# KiCad board hw-openmower-sabo.kicad_pcb
title: OpenMower SABO Mainboard for Series I & II; date: 2025-02-16; rev: v0.1; company: Apeheanger <joerg@ebeling.ws> for OpenMower; note: This design is licensed under CC BY-NC 4.0
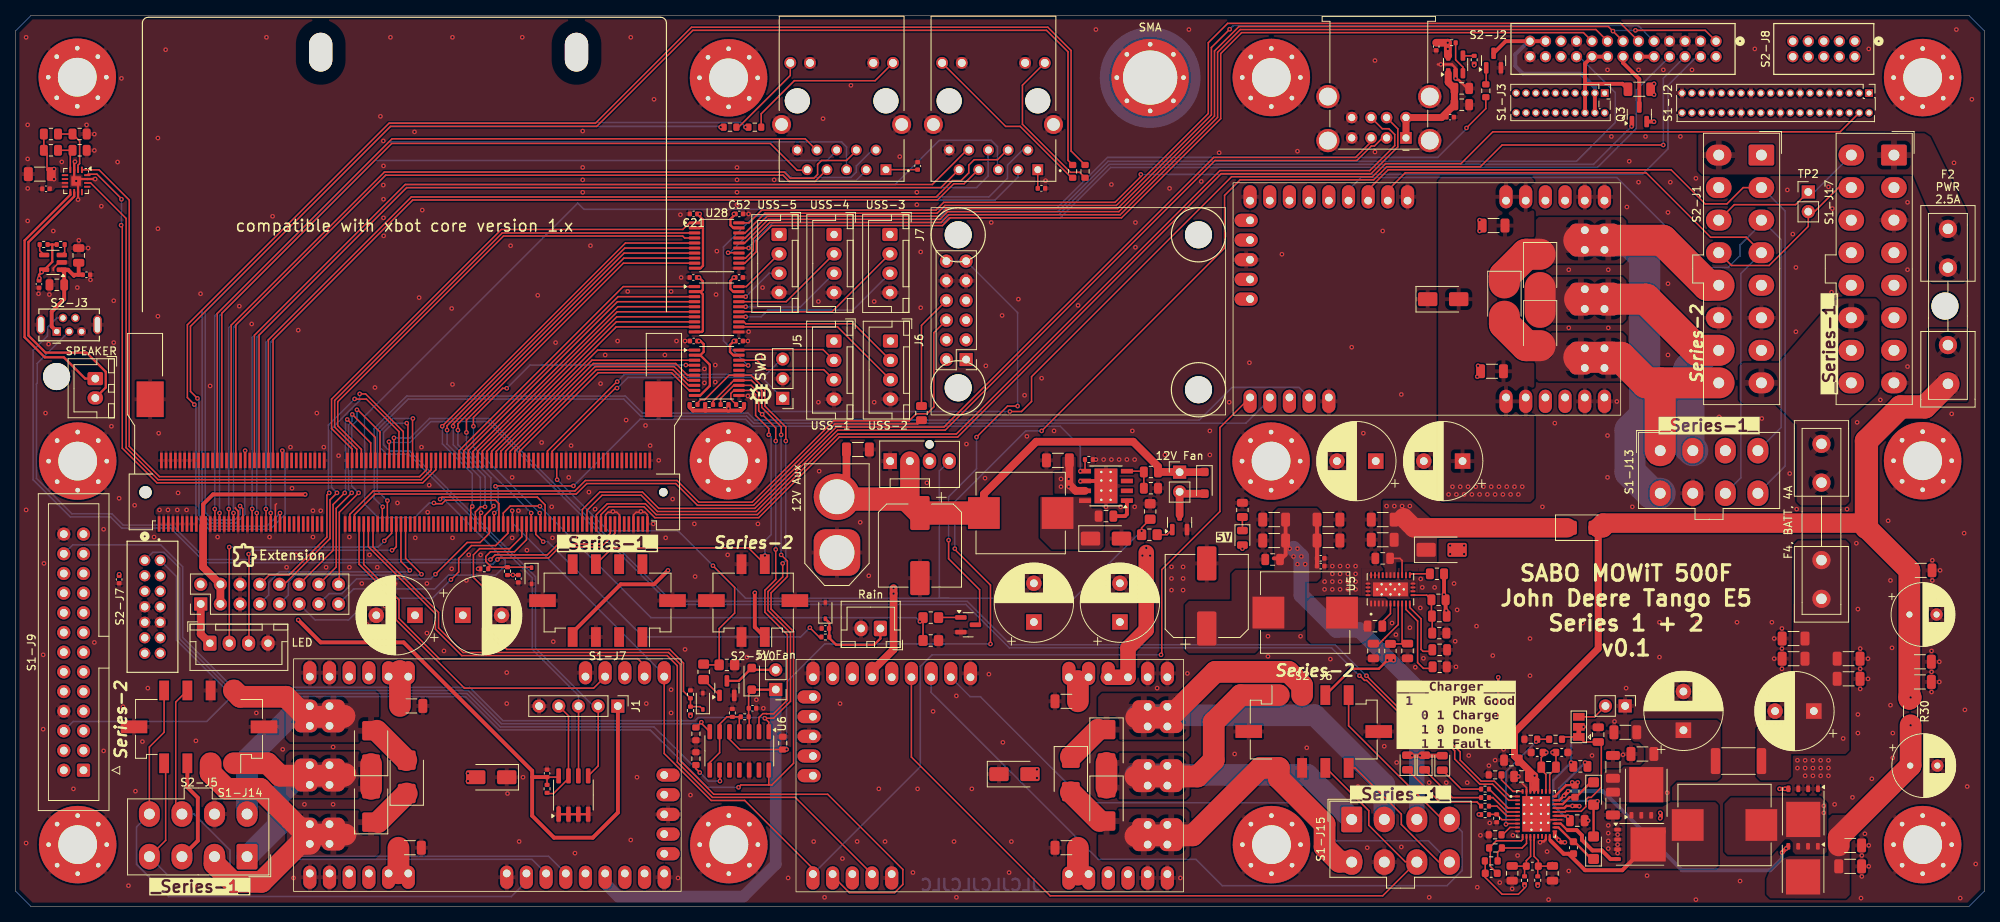
[diagram p0: board, top side]
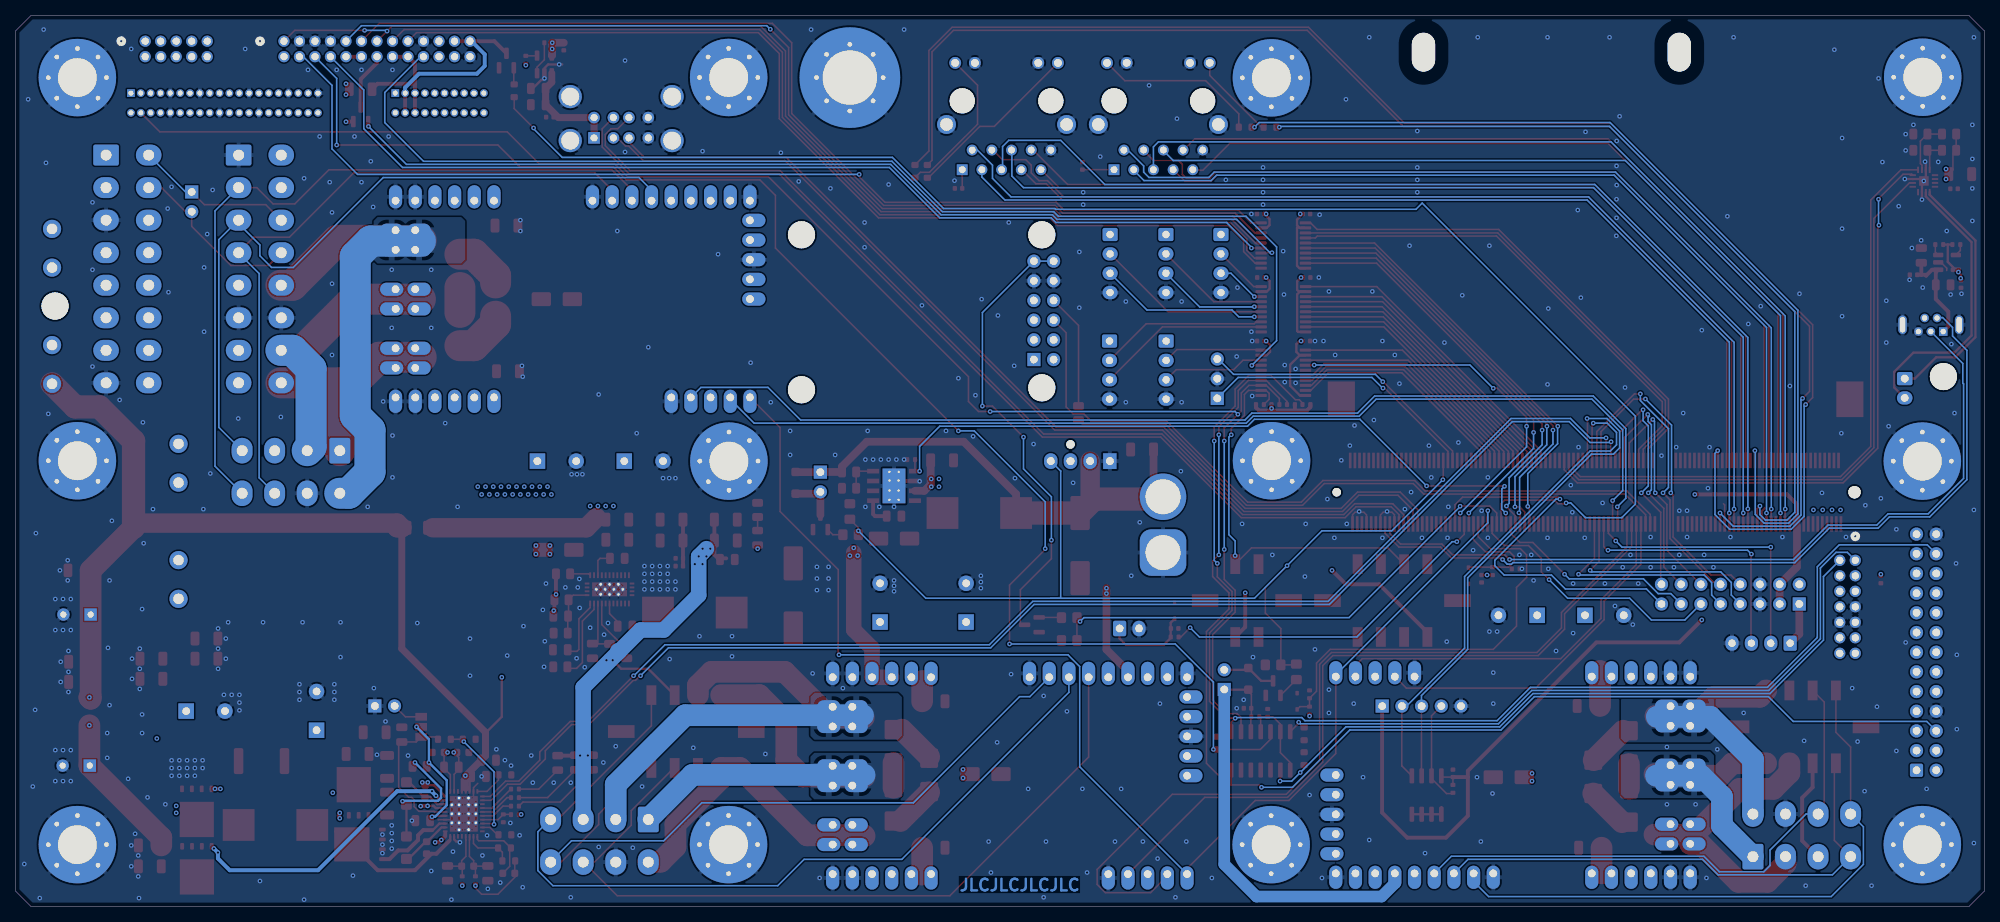
[diagram p1: board, bottom side, seen from below]

Outline 254 x 115 mm; copper layers: Top, In1.Cu-GND (plane), In2.Cu-PWR (plane), Bottom. Coordinates in mm from the lower left corner of the outline.
Outline path: 0,2 2,0 252,0 254,2 254,113 252,115 2,115 0,113 0,2
Stack: Top 0.035mm / dielectric 0.2104mm FR4 er 4.4 / In1.Cu-GND 0.0152mm / dielectric 1.065mm FR4 er 4.5 / In2.Cu-PWR 0.0152mm / dielectric 0.2104mm FR4 er 4.4 / Bottom 0.035mm

## Placement (name value [footprint] x y rotation side)
C1  100nF@50V  [C_0402_1005Metric]  183.27 110.98 270 top
C2  100nF@50V  [C_0402_1005Metric]  3.03 80.33 270 top
C3  470nF@50V  [C_0805_2012Metric]  186.57 105.58 0 top
C4  470nF@50V  [C_0805_2012Metric]  186.57 103.48 0 top
C5  100nF@50V  [C_0402_1005Metric]  185.07 101.88 180 top
C6  470nF@50V  [C_0805_2012Metric]  5.33 80.23 180 top
C7  470nF@50V  [C_0805_2012Metric]  8.15 84.03 90 top
C8  100nF@50V  [C_0402_1005Metric]  9.15 81.53 180 top
C9  100uF@6.3V  [C_1206_3216Metric]  3.13 94.53 180 top
C10  100nF  [C_0402_1005Metric]  3.93 92.63 0 top
C11  10uF@50V  [C_1206_3216Metric]  134.47 57.58 180 top
C12  10nF  [C_0805_2012Metric]  140.67 50.38 180 top
C13  680uF  [CP_Elec_10x12.5]  116.67 46.58 270 top
C14  680uF  [CP_Elec_10x12.5]  153.67 40.08 90 top
C15  100nF  [C_0402_1005Metric]  104.47 35.88 180 top
C16  10uF@50V  [C_1206_3216Metric]  108.67 58.98 0 top
C17  100nF@50V  [C_0402_1005Metric]  87.48 72.98 180 top
C18  100nF@50V  [C_0402_1005Metric]  93.34 81.18 0 top
C19  100nF@50V  [C_0402_1005Metric]  87.44 81.18 180 top
C20  100nF@50V  [C_0402_1005Metric]  93.36 72.98 0 top
C21  100nF@50V  [C_0402_1005Metric]  87.47 89.38 180 top
C22  100nF@50V  [C_0402_1005Metric]  132.35 92.68 180 top
C23  100nF@50V  [C_0402_1005Metric]  116.37 95.58 270 top
C24  10uF@50V  [C_1206_3216Metric]  176.37 47.33 180 top
C25  10uF@50V  [C_1206_3216Metric]  176.37 49.93 180 top
C26  470nF@50V  [C_0805_2012Metric]  176.37 44.93 180 top
C27  C  [C_0805_2012Metric]  183.72 33.13 0 top  (not fitted)
C28  2.2uF  [C_0805_2012Metric]  175.17 32.98 90 top
C29  470nF@50V  [C_0805_2012Metric]  175.37 36.18 180 top
C30  C  [C_0805_2012Metric]  183.67 37.48 180 top  (not fitted)
C31  100uF@6.3V  [C_1206_3216Metric]  169.37 47.23 0 top
C32  100uF@6.3V  [C_1206_3216Metric]  169.37 49.93 0 top
C33  100uF@6.3V  [C_1206_3216Metric]  162.37 49.93 180 top
C34  100uF@6.3V  [C_1206_3216Metric]  162.37 47.23 180 top
C35  470nF@50V  [C_0805_2012Metric]  162.17 44.78 180 top
C36  100nF  [C_0402_1005Metric]  168.37 44.93 180 top
C37  100nF  [C_0402_1005Metric]  168.37 43.93 180 top
C38  4.7uF@50V  [C_1206_3216Metric]  245.67 28.98 0 top
C39  4.7uF@50V  [C_1206_3216Metric]  245.67 31.58 0 top
C40  4.7uF@50V  [C_1206_3216Metric]  236.67 5.18 0 top
C41  4.7uF@50V  [C_1206_3216Metric]  236.67 7.88 0 top
C42  100uF@63V  [CP_Radial_D8.0mm_P3.50mm]  244.32 37.68 0 top
C43  4.7uF@50V  [C_1206_3216Metric]  229.37 34.58 180 top
C44  4.7uF@50V  [C_1206_3216Metric]  229.37 31.98 180 top
C45  4.7uF@50V  [C_1206_3216Metric]  236.47 29.38 0 top
C46  4.7uF@50V  [C_1206_3216Metric]  236.47 31.98 0 top
C47  220uF@80V  [CP_Radial_D10.0mm_P5.00mm]  231.98 25.22 180 top
C48  100nF@50V  [C_0603_1608Metric]  200.97 7.58 90 top
C49  DNP  [C_0603_1608Metric]  190.37 4.28 0 top  (not fitted)
C50  220uF@80V  [CP_Radial_D10.0mm_P5.00mm]  215.16 22.75 90 top
C51  1uF@50V  [C_0805_2012Metric]  179.57 32.98 90 top
C52  100nF@50V  [C_0402_1005Metric]  93.37 89.38 0 top
C53  100nF  [C_0402_1005Metric]  95.07 25.58 0 top
C55  4.7uF@50V  [C_1206_3216Metric]  206.07 13.28 270 top
C56  4.7uF@50V  [C_1206_3216Metric]  206.07 18.02 90 top
C58  4.7uF@50V  [C_1206_3216Metric]  209.87 19.68 180 top
C59  4.7uF@50V  [C_1206_3216Metric]  207.67 22.48 180 top
C61  100uF@63V  [CP_Radial_D8.0mm_P3.50mm]  244.42 18.18 0 top
C62  100nF@50V  [C_0603_1608Metric]  196.29 19.88 0 top
C63  100nF  [C_0402_1005Metric]  68.57 17.18 90 top
C64  220uF@80V  [CP_Radial_D10.0mm_P5.00mm]  57.7 37.58 0 top
C65  220uF@80V  [CP_Radial_D10.0mm_P5.00mm]  51.54 37.58 180 top
C66  10uF@50V  [C_1206_3216Metric]  50.87 7.58 0 top
C67  10uF@50V  [C_1206_3216Metric]  51.07 25.88 0 top
C68  220uF@80V  [CP_Radial_D10.0mm_P5.00mm]  186.67 57.48 180 top
C69  220uF@80V  [CP_Radial_D10.0mm_P5.00mm]  175.47 57.48 180 top
C70  10uF@50V  [C_1206_3216Metric]  190.67 87.88 180 top
C71  10uF@50V  [C_1206_3216Metric]  190.47 69.08 180 top
C72  220uF@80V  [CP_Radial_D10.0mm_P5.00mm]  131.37 36.72 90 top
C73  220uF@80V  [CP_Radial_D10.0mm_P5.00mm]  142.47 36.72 90 top
C74  10uF@50V  [C_1206_3216Metric]  135.57 7.58 180 top
C75  10uF@50V  [C_1206_3216Metric]  135.57 26.48 180 top
C76  100nF@50V  [C_0603_1608Metric]  201.17 14.88 270 top
C77  100nF@50V  [C_0603_1608Metric]  199.47 19.88 0 top
C78  4.7uF  [C_0805_2012Metric]  201.47 11.08 0 top
C79  100nF@100V  [C_0805_2012Metric]  194.27 16.78 180 top
C80  1uF@50V  [C_0805_2012Metric]  192.97 18.88 180 top
C81  100nF@100V  [C_0805_2012Metric]  198.27 4.28 90 top
C82  100nF@100V  [C_0805_2012Metric]  193.07 4.28 270 top
C83  470nF@25V  [C_0603_1608Metric]  195.67 5.21 180 top
C84  4.7uF  [C_0805_2012Metric]  204.17 22.18 90 top
C85  470nF@50V  [C_0805_2012Metric]  197.77 17.98 180 top
C86  100nF  [C_0402_1005Metric]  64.87 42.3 270 top
C87  100nF  [C_0402_1005Metric]  13.37 42.2 270 top
D1  LED GREEN  [LED_0805_2012Metric]  158.27 47.58 270 top
D2  V1FM10-M3/H  [D_SMF]  203.57 7.58 90 top
D5  LED GREEN  [LED_0805_2012Metric]  184.05 18.53 90 top
D6  LED GREEN  [LED_0805_2012Metric]  181.77 18.58 90 top
D7  DNP  [D_SMA]  61.37 16.68 180 top  (not fitted)
D8  DNP  [D_SMB]  45.87 20.53 90 top  (not fitted)
D9  DNP  [D_SMB]  45.87 13.03 90 top  (not fitted)
D10  DNP  [D_SMB]  50.47 16.73 90 top  (not fitted)
D11  DNP  [D_SMA]  184.17 78.38 0 top  (not fitted)
D12  DNP  [D_SMB]  196.67 74.53 270 top  (not fitted)
D13  DNP  [D_SMB]  196.67 82.03 270 top  (not fitted)
D14  DNP  [D_SMB]  192.07 78.33 270 top  (not fitted)
D15  SS54  [D_SMA]  183.97 46.03 0 top
D16  SS54  [D_SMA]  140.67 47.48 0 top
D17  DNP  [D_SMA]  128.87 17.08 0 top  (not fitted)
D18  DNP  [D_SMB]  140.74 13.18 270 top  (not fitted)
D19  DNP  [D_SMB]  140.74 20.68 270 top  (not fitted)
D20  DNP  [D_SMB]  136.14 16.98 270 top  (not fitted)
D21  PDZ3.3B,115  [D_SOD-323]  104.47 38.18 90 top
D22  D_Schottky  [D_SOD-123F]  94.97 29.38 90 top
D23  PDZ3.3B,115  [D_SOD-323]  66.57 42.68 270 top
D24  PDZ3.3B,115  [D_SOD-323]  88.67 26.48 90 top
D25  D_Schottky  [D_SOD-123F]  153.37 54.68 270 top
D26  V1FM10-M3/H  [D_SMF]  203.57 14.58 270 top
D28  SS54  [D_SMA]  202.17 48.88 0 top
D29  LED GREEN  [LED_0805_2012Metric]  179.57 18.58 90 top
F2  PWR Fuse 2.5A  [Fuseholder5x20_horiz_open_inline_Type-I]  249.28 87.46 270 top  (not fitted)
F4  BATT Fuse 4A  [Fuseholder5x20_horiz_open_inline_Type-I]  232.97 39.71 90 top  (not fitted)
H1  MountingHole_Pad  [MountingHole_5mm_Pad_Via]  7.97 107.03 0 top  (not fitted)
H2  MountingHole_Pad  [MountingHole_5mm_Pad_Via]  91.99 106.95 0 top  (not fitted)
H3  MountingHole_Pad  [MountingHole_5mm_Pad_Via]  162 107 0 top  (not fitted)
H4  MountingHole_Pad  [MountingHole_5mm_Pad_Via]  246.02 106.98 0 top  (not fitted)
H5  MountingHole_Pad  [MountingHole_5mm_Pad_Via]  8.02 57.48 0 top  (not fitted)
H6  MountingHole_Pad  [MountingHole_5mm_Pad_Via]  91.97 57.53 0 top  (not fitted)
H7  MountingHole_Pad  [MountingHole_5mm_Pad_Via]  161.97 57.48 0 top  (not fitted)
H8  MountingHole_Pad  [MountingHole_5mm_Pad_Via]  246.02 57.53 0 top  (not fitted)
H9  MountingHole_Pad  [MountingHole_5mm_Pad_Via]  8.02 7.98 0 top  (not fitted)
H10  MountingHole_Pad  [MountingHole_5mm_Pad_Via]  92.02 7.98 0 top  (not fitted)
H11  MountingHole_Pad  [MountingHole_5mm_Pad_Via]  162.02 7.98 0 top  (not fitted)
H12  MountingHole_Pad  [MountingHole_5mm_Pad_Via]  246.02 7.98 0 top  (not fitted)
H13  SMA_Mount  [SMA_Mount_Hole_7mm_Pad_Via_Top_10_Bottom_13]  146.37 106.98 0 top  (not fitted)
J1  Conn_01x05_Pin  [PinHeader_1x05_P2.54mm_Vertical]  77.7 25.87 270 top  (not fitted)
J5  Conn_01x04  [JST_XH_B4B-XH-A_1x04_P2.50mm_Vertical]  105.57 72.98 270 top  (not fitted)
J6  Conn_01x04  [JST_XH_B4B-XH-A_1x04_P2.50mm_Vertical]  112.87 72.98 270 top  (not fitted)
J7  Conn_01x04  [JST_XH_B4B-XH-A_1x04_P2.50mm_Vertical]  112.79 86.73 270 top  (not fitted)
J8  Conn_01x04  [JST_XH_B4B-XH-A_1x04_P2.50mm_Vertical]  105.59 86.73 270 top  (not fitted)
J9  Conn_01x04  [JST_XH_B4B-XH-A_1x04_P2.50mm_Vertical]  98.49 86.73 270 top  (not fitted)
J16  USB_A_Stacked  [USB_A_Wuerth_61400826021_Horizontal_Stacked]  179.37 99.2 180 top
J17  Conn_01x02  [JST_XH_B2B-XH-A_1x02_P2.50mm_Vertical]  111.57 35.88 180 top  (not fitted)
J18  Conn_01x02  [JST_XH_B2B-XH-A_1x02_P2.50mm_Vertical]  10.29 68.13 270 top
J19  Conn_01x04  [JST_XH_B4B-XH-A_1x04_P2.50mm_Vertical]  25.07 33.98 0 top  (not fitted)
J20  Conn_01x02  [AMASS_XT60-F_1x02_P7.20mm_Vertical]  105.97 45.68 90 top  (not fitted)
J23  -  [HR911130A]  126.15 103.98 0 top  (not fitted)
J24  -  [HR911130A]  106.57 103.98 0 top
J26  -  [xcore]  50.17 53.47 90 top
J31  Conn_01x03_Pin  [PinHeader_1x03_P2.54mm_Vertical]  98.97 65.58 180 top
J32  Conn_02x08_Odd_Even  [PinHeader_2x08_P2.54mm_Vertical]  23.89 39.04 90 top
J33  Molex 470531000  [FanPinHeader_1x04_P2.54mm_Vertical]  112.83 57.48 0 top
JP1  SolderJumper_3_Bridged12  [SolderJumper-3_P1.3mm_Bridged12_Pad1.0x1.5mm]  201.67 23.18 90 top
L1  6.8uH  [L_Sunlord_MWSA1004S]  166.37 37.93 180 top
L3  22uH  [L_Sunlord_MWSA1004S]  129.67 50.78 180 top
L4  10uH  [L_Sunlord_MWSA1005S]  220.46 10.52 180 top
M1  Fan  [PinHeader_1x02_P2.54mm_Vertical]  98.07 28.01 180 top
M2  Fan  [PinHeader_1x02_P2.54mm_Vertical]  150.17 56.06 0 top
Q1  BSS138  [SOT-23]  122.89 36.36 0 top
Q2  AO3400A  [SOT-23]  190.67 109.18 90 top
Q3  AO3401  [SOT-23]  209.47 102.25 90 top
Q4  BSS138  [SOT-23]  91.77 28.18 90 top
Q5  BSS138  [SOT-23]  150.17 49.58 90 top
Q6  BSC0702LS  [TDSON-8-1]  230.6 4.87 270 top
Q7  BSC0702LS  [TDSON-8-1]  230.61 12.28 270 top
Q8  BSC0702LS  [TDSON-8-1]  210.36 14.67 90 top
Q9  BSC0702LS  [TDSON-8-1]  209.56 8.02 0 top
R1  10k  [R_0402_1005Metric]  188.17 109.28 270 top
R2  10k  [R_0402_1005Metric]  3.63 85.43 0 top
R3  10k  [R_0402_1005Metric]  185.27 111.48 0 top
R4  10k  [R_0402_1005Metric]  5.83 85.43 0 top
R5  1M  [R_0805_2012Metric]  4.57 97.6 0 top
R6  1M  [R_0805_2012Metric]  8.27 97.6 0 top  (not fitted)
R7  1M  [R_0805_2012Metric]  4.57 99.7 0 top  (not fitted)
R8  0R  [R_0805_2012Metric]  8.27 99.7 0 top
R9  330  [R_0603_1608Metric]  87.77 19.08 90 top
R10  330  [R_0603_1608Metric]  87.77 22.28 270 top
R11  300  [R_0603_1608Metric]  137.97 94.88 270 top
R12  300  [R_0603_1608Metric]  136.37 94.88 270 top
R13  300  [R_0603_1608Metric]  95.37 100.58 0 top
R14  300  [R_0603_1608Metric]  92.17 100.58 0 top
R15  R  [R_0805_2012Metric]  183.72 30.93 0 top  (not fitted)
R16  100k  [R_0805_2012Metric]  183.37 42.93 0 top
R17  100k 0.1%  [R_0805_2012Metric]  183.57 39.58 180 top
R18  25k 0.1%  [R_0805_2012Metric]  183.67 35.28 0 top
R19  1k  [R_0805_2012Metric]  158.27 51.18 90 top
R20  25k5  [R_0603_1608Metric]  190.87 9.26 0 top
R21  100k  [R_0402_1005Metric]  189.57 11.86 0 top
R22  R  [R_1206_3216Metric]  245.77 43.38 0 top  (not fitted)
R23  11k  [R_0402_1005Metric]  92.47 24.98 90 top
R24  10k  [R_0805_2012Metric_Pad1.20x1.40mm_HandSolder]  118.07 34.33 180 top
R25  150  [R_0805_2012Metric_Pad1.20x1.40mm_HandSolder]  118.07 37.28 0 top
R26  0R  [R_0805_2012Metric]  177.37 32.98 90 top
R27  10k  [R_0402_1005Metric]  94.07 24.48 180 top
R28  330  [R_0603_1608Metric]  98.97 21.08 90 top
R29  22  [R_1206_3216Metric]  209.47 105.48 0 top
R30  5m  [R_1206_3216Metric]  244.47 25.18 270 top
R31  10k  [R_0402_1005Metric]  68.57 15.18 270 top
R32  330  [R_0603_1608Metric]  189.67 105.28 270 top
R33  249kR 0.1%  [R_0603_1608Metric]  190.37 5.88 0 top
R34  10k  [R_0402_1005Metric]  189.57 15.16 0 top
R35  10k  [R_0402_1005Metric]  189.57 14.06 0 top
R44  20k  [R_0805_2012Metric]  146.47 56.08 180 top
R45  2.2k  [R_0805_2012Metric]  146.47 53.98 0 top
R46  10k  [R_0402_1005Metric]  138.47 57.68 0 top
R47  10k  [R_0402_1005Metric]  104.47 34.78 0 top
R48  10k  [R_0402_1005Metric]  93.47 64.78 180 top
R49  10k  [R_0402_1005Metric]  91.47 64.78 180 top
R50  10k  [R_0402_1005Metric]  89.47 64.78 180 top
R51  10k  [R_0402_1005Metric]  87.47 64.78 180 top
R52  10k  [R_0805_2012Metric_Pad1.20x1.40mm_HandSolder]  91.77 31.18 180 top  (not fitted)
R53  150  [R_0805_2012Metric_Pad1.20x1.40mm_HandSolder]  88.77 30.28 270 top
R54  200k 0.1%  [R_0402_1005Metric]  63.47 43.28 270 top
R55  13k 0.1%  [R_0402_1005Metric]  60.47 43.58 0 top
R56  200k 0.1%  [R_0402_1005Metric]  87.07 25.28 270 top
R57  13k 0.1%  [R_0402_1005Metric]  87.07 27.38 270 top
R58  2.2k  [R_0805_2012Metric]  116.87 63.68 270 top
R60  10k  [R_0805_2012Metric_Pad1.20x1.40mm_HandSolder]  146.37 50.98 270 top  (not fitted)
R65  150  [R_0805_2012Metric_Pad1.20x1.40mm_HandSolder]  146.27 47.98 0 top
R66  0R  [R_0805_2012Metric]  201.87 18.08 0 top
R67  5mR  [R_2512_6332Metric]  222.26 18.77 180 top
R68  10R  [R_0402_1005Metric]  196.37 3.38 90 top
R69  10R  [R_0402_1005Metric]  194.67 3.38 90 top
R71  13k7 0.5%  [R_0603_1608Metric]  190.92 7.56 180 top
R72  5.24kR  [R_0603_1608Metric]  198.67 21.58 180 top  (not fitted)
R73  30.31kR  [R_0603_1608Metric]  195.47 21.58 180 top  (not fitted)
R74  133k  [R_0603_1608Metric]  190.87 16.98 0 top
R75  10k  [R_0402_1005Metric]  191.07 11.38 270 top
R76  10k  [R_0402_1005Metric]  189.57 12.96 0 top
REF**  -  [MountingHole_3.5mm]  248.9 77.5 0 top  (not fitted)
REF**#2  -  [MountingHole_3.5mm]  5.3 68.4 0 top  (not fitted)
S1-J2  Conn_02x20_Odd_Even  [PinHeader_2x20_P1.27mm_R2.54mm_Vertical]  239.11 104.98 270 top  (not fitted)
S1-J3  Conn_02x10_Odd_Even  [PinHeader_2x10_P1.27mm_R2.54mm_Vertical]  205.01 104.98 270 top  (not fitted)
S1-J7  Conn_02x04_Top_Bottom_MountingPin  [Molex_Micro-Fit_3.0_43045-0818_2x04-1MP_P3.00mm_Vertical]  76.37 39.48 180 top
S1-J9  Conn_02x13_Odd_Even  [IDC-Header_2x13_P2.54mm_Vertical]  8.77 17.58 180 top
S1-J13  Conn_02x04_Top_Bottom  [Molex_Mini-Fit_Jr_5566-08A_2x04_P4.20mm_Vertical]  212.17 58.83 0 top
S1-J14  Conn_02x04_Top_Bottom  [Molex_Mini-Fit_Jr_5566-08A_2x04_P4.20mm_Vertical]  29.87 6.43 180 top
S1-J15  Conn_02x04_Top_Bottom  [Molex_Mini-Fit_Jr_5566-08A_2x04_P4.20mm_Vertical]  172.37 11.23 0 top
S1-J17  Conn_02x08_Top_Bottom  [Molex_Mini-Fit_Jr_5566-16A_2x08_P4.20mm_Vertical]  242.32 96.98 270 top
S2-J1  Conn_02x08_Top_Bottom  [Molex_Mini-Fit_Jr_5566-16A_2x08_P4.20mm_Vertical]  225.22 96.98 270 top
S2-J2  Conn_02x12_Odd_Even  [Molex_Milli-Grid_878312620]  219.37 111.68 180 top  (not fitted)
S2-J3  USB_B_Mini  [USB_Mini-B_Tensility_54-00023_Vertical]  5.32 74.21 0 top
S2-J5  Conn_02x04_Top_Bottom  [Molex_Micro-Fit_3.0_43045-0818_2x04-1MP_P3.00mm_Vertical]  23.67 23.18 180 top
S2-J6  Conn_02x04_Top_Bottom  [Molex_Micro-Fit_3.0_43045-0818_2x04-1MP_P3.00mm_Vertical]  167.47 22.58 0 top
S2-J7  Conn_02x07_Odd_Even  [Molex_Milli-Grid_878311420]  16.67 44.68 270 top
S2-J8  Conn_02x05_Odd_Even  [Molex_Milli-Grid_878311041]  237.27 111.68 180 top  (not fitted)
S2-J10  Conn_02x02_Top_Bottom_MountingPin  [Molex_Micro-Fit_3.0_43045-0418_2x02-1MP_P3.00mm_Vertical]  95.15 39.48 180 top
TP1  TestPoint_2Pole  [PinHeader_1x02_P2.54mm_Vertical]  207.64 25.88 270 top
TP2  TestPoint_2Pole  [PinHeader_1x02_P2.54mm_Vertical]  231.27 92.22 0 top
U1  TPS2065CDBV  [SOT-23-5]  185.77 108.68 90 top
U2  TPS2065CDBV  [SOT-23-5]  4.83 83.13 180 top
U3  MAX98357A  [TQFN-16-1EP_3x3mm_P0.5mm_EP1.23x1.23mm]  7.82 93.64 270 top
U4  TPS5430DDA  [TI_SO-PowerPAD-8_ThermalVias]  140.67 54.28 180 top
U5  -  [LM76005RNPR]  177.37 40.93 90 top
U6  LM339  [SOIC-14_3.9x8.7mm_P1.27mm]  93.37 20.08 270 top
U7  M24C02-WMN  [SOIC-8_3.9x4.9mm_P1.27mm]  71.97 14.38 90 top
U8  xESC2  [xESC2-mini]  63.37 32.21 180 top  (not fitted)
U9  xESC2  [xESC2-mini]  179.57 63.16 0 top  (not fitted)
U10  xESC2  [xESC2-mini]  123.18 1.64 0 top  (not fitted)
U11  TXS0108EPW  [TSSOP-20_4.4x6.5mm_P0.65mm]  90.46 68.88 0 top
U12  TXS0108EPW  [TSSOP-20_4.4x6.5mm_P0.65mm]  90.44 77.08 0 top
U13  ~  [UM9XX_WitMotion]  118.11 90.2 270 top  (not fitted)
U14  Fuse Holder  [Dummy]  249.3 84.98 270 top
U15  Fuse Holder  [Dummy]  249.3 69.98 270 top
U16  Fuse Holder  [Dummy]  233 42.18 90 top
U17  Fuse Holder  [Dummy]  233 57.18 90 top
U18  2.54mm 2x2 socket  [Dummy]  39.23 9.37 90 top
U19  2.54mm 2x2 socket  [Dummy]  203.7 86 270 top
U20  2.54mm 2x2 socket  [Dummy]  147.32 24.48 270 top
U21  2.54mm 2x2 socket  [Dummy]  39.23 24.57 90 top
U22  2.54mm 2x2 socket  [Dummy]  203.7 78.4 270 top
U23  2.54mm 2x2 socket  [Dummy]  147.32 16.88 270 top
U24  2.54mm 2x2 socket  [Dummy]  39.23 16.97 90 top
U25  2.54mm 2x2 socket  [Dummy]  203.7 70.8 270 top
U26  2.54mm 2x2 socket  [Dummy]  147.32 9.28 270 top
U27  -  [BQ25756RRVR]  196.17 11.96 0 top
U28  TXS0108EPW  [TSSOP-20_4.4x6.5mm_P0.65mm]  90.46 85.31 0 top
U30  2.54mm 1x6 socket  [Dummy]  44.33 4.27 180 top
U31  2.54mm 1x6 socket  [Dummy]  198.65 65.8 0 top
U32  2.54mm 1x6 socket  [Dummy]  142.27 4.28 0 top
U33  2.54mm 1x6 socket  [Dummy]  44.28 29.57 180 top
U34  2.54mm 1x6 socket  [Dummy]  198.6 91.1 0 top
U35  2.54mm 1x6 socket  [Dummy]  142.22 29.58 0 top
U36  2.54mm 1x9 socket  [Dummy]  73.52 4.27 180 top
U37  2.54mm 1x9 socket  [Dummy]  169.41 91.1 0 top
U38  2.54mm 1x9 socket  [Dummy]  113.03 29.58 0 top
U39  2.54mm 1x5 socket  [Dummy]  78.6 29.67 180 top
U40  2.54mm 1x5 socket  [Dummy]  164.33 65.7 0 top
U41  2.54mm 1x5 socket  [Dummy]  107.95 4.18 0 top
U46  2.54mm 2x6 socket  [Dummy]  121.39 76.97 270 top

## Library data of the parts
C1 C2 C5 C8 C10 C15 C17-C23 C36 C37 C52 C63 = -: Description: Unpolarized capacitor; JLC: C307331; ki_fp_filters: C_*
C3 C4 C6 C7 C26 C29 C35 = -: Description: Unpolarized capacitor; JLC: C13967; ki_fp_filters: C_*
C9 C31-C34 = -: Description: Unpolarized capacitor; JLC: C15008; ki_fp_filters: C_*
C11 C16 C24 C25 C66 C67 C70 C71 C74 C75 = -: Description: Unpolarized capacitor; JLC: C13585; ki_fp_filters: C_*
C12 = -: Description: Unpolarized capacitor; JLC: C1710; ki_fp_filters: C_*
C13 C14 = -: Description: 680uF 35V ±20% SMD,D10xL12.5mm Aluminum Electrolytic Capacitors; Stock_PN: CP-SMD-680uF-35V; Digikey: P124828TR-ND; JLC: C22387801; FT Rotation Offset: 180; ki_fp_filters: CP_*
C27 C30 C49 = -: Description: Unpolarized capacitor; ki_fp_filters: C_*
C28 = -: Description: Unpolarized capacitor; JLC: C377773; ki_fp_filters: C_*
C38-C41 C43-C46 C55 C56 C58 C59 = -: Description: Unpolarized capacitor; JLC: C29823; ki_fp_filters: C_*
C42 C61 = -: Description: 100uF 63V ±20% Plugin,D8xL12mm Aluminum Electrolytic Capacitors; JLC: C7436417; ki_fp_filters: CP_*
C47 C50 C64 C65 C68 C69 C72 C73 = -: Description: Polarized capacitor; JLC: C106516; ki_fp_filters: CP_*
C48 C62 C76 C77 = -: Description: Unpolarized capacitor; JLC: C14663; ki_fp_filters: C_*
C51 C80 = -: Description: Unpolarized capacitor; JLC: C354368; ki_fp_filters: C_*
C53 C86 C87 = -: Description: 50V 100nF X7R ±10% 0402 Multilayer Ceramic Capacitors MLCC; JLC: C307331; ki_fp_filters: C_*
C78 C84 = -: Description: Unpolarized capacitor; JLC: C1779; ki_fp_filters: C_*
C79 C81 C82 = -: Description: Unpolarized capacitor; JLC: C28233; ki_fp_filters: C_*
C83 = -: Description: Unpolarized capacitor; JLC: C1623; ki_fp_filters: C_*
C85 = -: Description: 50V 470nF X7R ±10% 0805 Multilayer Ceramic Capacitors MLCC; JLC: C13967; ki_fp_filters: C_*
D1 D5 D6 D29 = -: Description: Light emitting diode; JLC: C2297; ki_fp_filters: LED* LED_SMD:* LED_THT:*
D2 D26 = -: Description: Schottky diode; JLC: C3758930; ki_fp_filters: TO-???* *_Diode_* *SingleDiode* D_*
D7-D14 D17-D20 = -: Config: do not place; DNP: Y; ki_fp_filters: TO-???* *_Diode_* *SingleDiode* D_*
D15 D28 = -: Digikey: 3757-SB54AFC_R1_00001CT-ND; Part Number: SB54AFC_R1_00001; Stock_PN: D-SMA-Schottky-40V-5A; JLC: C22452; ki_fp_filters: TO-???* *_Diode_* *SingleDiode* D_*
D16 = -: Description: Schottky diode; JLC: C22452; ki_fp_filters: TO-???* *_Diode_* *SingleDiode* D_*
D21 D23 D24 = -: Description: Zener diode; JLC: C426855; ki_fp_filters: TO-???* *_Diode_* *SingleDiode* D_*
D22 D25 = -: Part Number: AS160-M; Stock_PN: D-AS160-M; Digikey: 3757-SS0520_R1_00001CT-ND; JLC: C8598; ki_fp_filters: TO-???* *_Diode_* *SingleDiode* D_*
F2 F4 = -: Description: You will need a pair of holders; Stock_PN: FH-FC-202-24; JLC: C3117; ki_fp_filters: *Fuse*
H1-H12 = -: Config: do not place; DNP: Y; ki_fp_filters: MountingHole*Pad*
H13 = -: Description: Mounting Hole with connection; ki_fp_filters: MountingHole*Pad*
J1 = -: Description: Generic connector, single row, 01x05, script generated; JLC: C6332198; ki_fp_filters: Connector*:*_1x??_*
J5-J9 J19 = -: Digikey: 455-2249-ND; Stock_PN: J-JST-XH-1x4; JLC: C144395; DNP: Y; ki_fp_filters: Connector*:*_1x??_*
J16 = -: Description: USB Type A connector, stacked; JLC: C720548; FT Rotation Offset: 180; ki_fp_filters: USB*
J17 = -: Digikey: 455-2946-ND; Stock_PN: J-JST-XH-1x2; JLC: C2910525; DNP: Y; ki_fp_filters: Connector*:*_1x??_*
J18 = -: Digikey: 455-2946-ND; Part Number: B2B-XH-A-GU; Stock_PN: J-JST-XH-1x2; JLC: C2910525; ki_fp_filters: Connector*:*_1x??_*
J20 = -: Description: Generic connector, single row, 01x02, script generated (kicad-library-utils/schlib/autogen/connector/); JLC: C98734; ki_fp_filters: Connector*:*_1x??_*
J23 = -: MF: hanrun; JLC: C54408; DNP: Y
J24 = -: MF: hanrun; MAXIMUM_PACKAGE_HEIGHT: 13.75 mm; Package: None; Price: None; Check_prices: https://www.snapeda.com/parts/HR911130A/HanRun/view-part/?ref=eda; STANDARD: Manufacturer Recommendations; PARTREV: A; SnapEDA_Link: https://www.snapeda.com/parts/HR911130A/HanRun/view-part/?ref=snap; Availability: In Stock; MANUFACTURER: HanRun; JLC: C54408
J26 = -: Description: DDR3 0.6mm Horizontal attachment 204P -55℃~+85℃ SMD,P=0.6mm,Surface Mount，Right Angle Edgeboard Connectors; JLC: C306045; Alt: TE Connectivity 2-2013289-1; JLC-ALT: C225721; FT Rotation Offset: 90
J31 = -: Description: Generic connector, single row, 01x03, script generated; JLC: C6332196; FT Rotation Offset: 90; ki_fp_filters: Connector*:*_1x??_*
J32 = -: Description: Generic connector, double row, 02x08, odd/even pin numbering scheme (row 1 odd numbers, row 2 even numbers), script generated (kicad-library-utils/schlib/autogen/connector/); JLC: C779499; FT Rotation Offset: 90; ki_fp_filters: Connector*:*_2x??_*